# Altium PCB NURIP.PcbDoc (part 7 of 14) (continued)
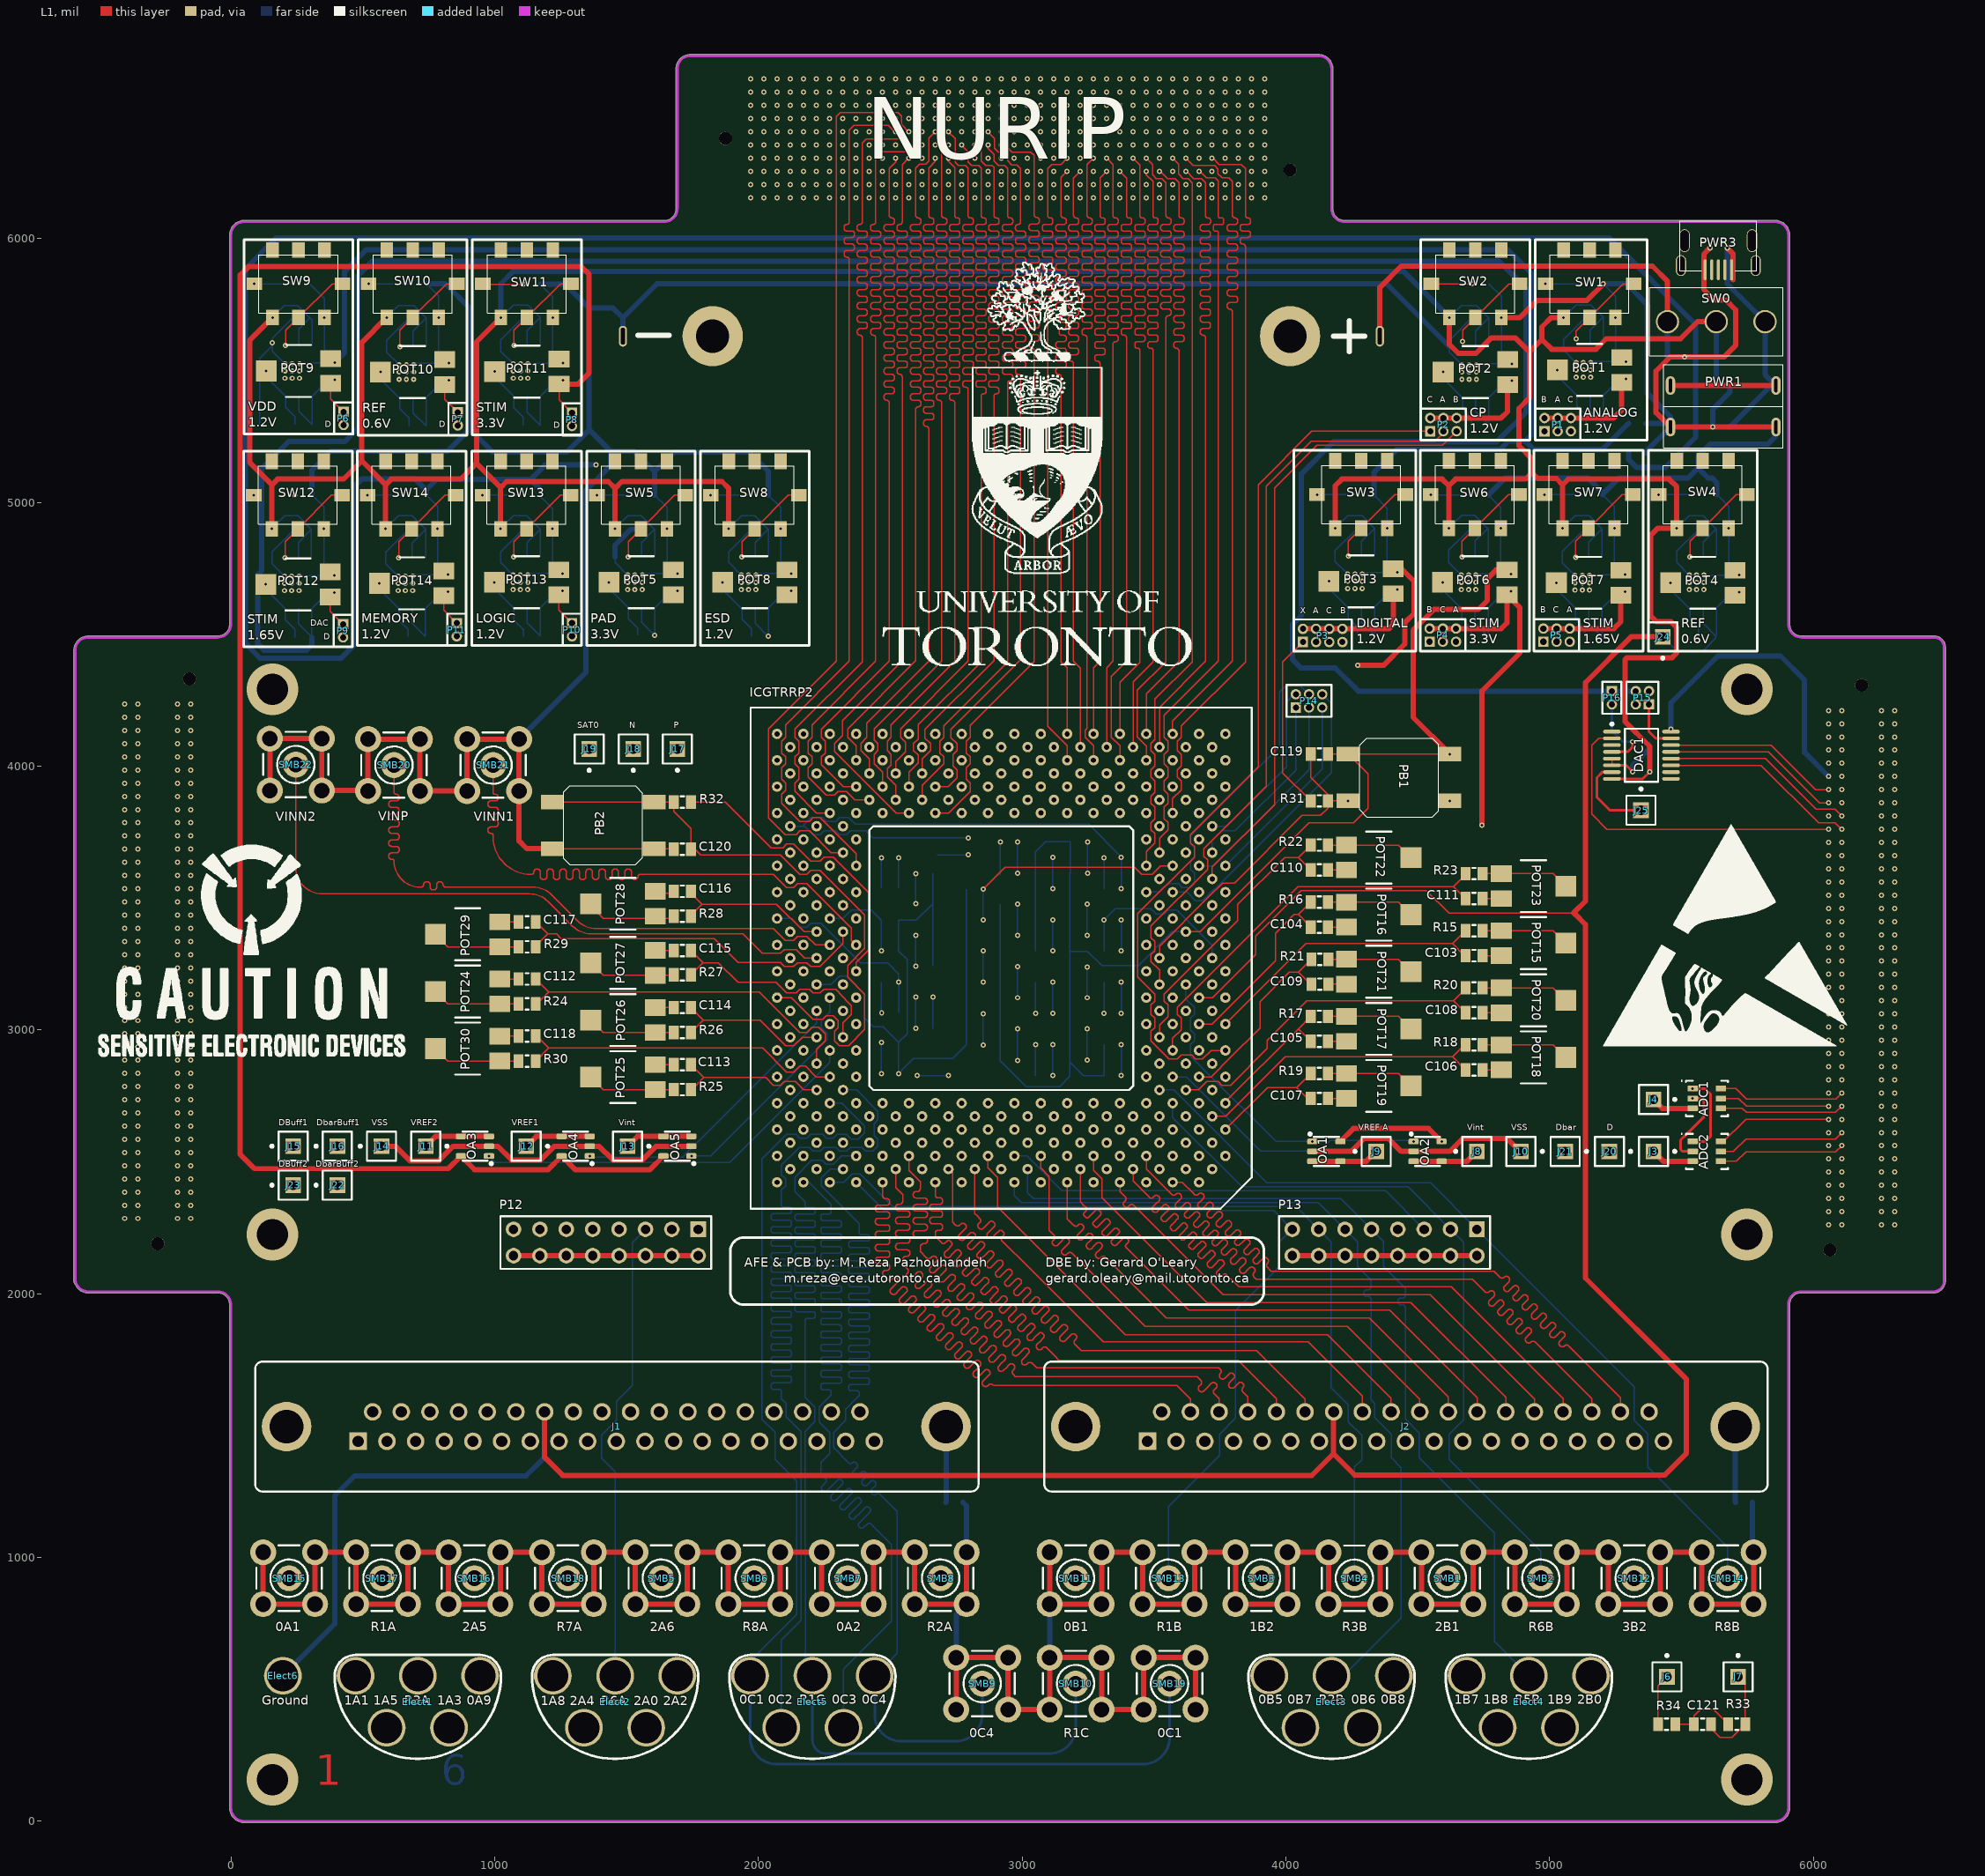
[diagram p0: L1 view]
## Nets (pads, with @x,y where several pads share a name; then routed paths per layer and width w, separated by ;. In a path a pad name is that pad's centre, name@x,y a point inside that pad or via, vN(x,y) a via of type N, cw(c..) or ccw(c..) an arc to the next point about the centre after c; other vN are vias at no path point) (continued)
DBG_UART_TXD: FMC1.K22 ICGTRRP2.AF4 | length 2767.2
  L5 w5: v1(3020.24,6154.92) 3020.24,4686.46 3538.52,4168.17 3538.52,4108.87 3552.89,4094.5 3552.89,4049.91 3538.52,4035.54 3538.52,3999.91 3552.89,3985.54 3552.89,3950.53 3538.52,3936.16 3538.52,3899.91 3552.89,3885.54 3552.89,3858.87 3538.52,3844.5 3538.52,3808.87 3620.71,3726.69 ICGTRRP2.AF4@3620.71,3672.2
DVDD: ADC1.1 ADC2.1 C12.1 C13.1 LDO3.1 LDO3.2 P3.2 P3.4 P3.6 P3.8 P15.2 POT3.3 | length 3941.9
  L1 w10: ADC2.1@5543.31,2576.77 5590.55,2576.77 5611.02,2597.24 5611.02,2755.12 5588.58,2777.56 ADC1.1@5543.31,2777.56
  L1 w20: P3.2@4064.57,4520.47 P3.4@4114.57,4520.47 P3.6@4164.57,4520.47 P3.8@4214.57,4520.47 4390.55,4520.47 4407.48,4537.4 POT3.3@4407.48,4653.54 ; v1(5541.34,2777.56) ADC1.1@5543.31,2777.56
  L2 w20: P15.2@5326.77,4234.25 5326.77,4145.67 5541.34,3931.1 v1(5541.34,2777.56)
  L5 w5: P3.8@4214.57,4520.47 4324.02,4520.47 4653.54,4190.94 5283.46,4190.94 P15.2@5326.77,4234.25
  L6 w5: LDO3.2@4286.81,4604.33 4286.81,4545.87 C12.1@4336.61,4496.06 4336.81,4496.26 4336.81,4604.33 4401.77,4669.29 v1(4423.23,4669.29)
DVDD_A: C41.1 C42.1 ICGTRRP2.M4 P3.3 | length 2695.1
  L2 w5: ICGTRRP2.M4@3620.71,2972.2 3567.17,2972.2 3538.52,3000.85 3538.52,3044.5 3552.89,3058.87 3552.89,3085.54 3538.52,3099.91 3538.52,3135.54 3552.89,3149.91 3552.89,3194.5 3538.52,3208.87 3538.52,3235.54 3552.89,3249.91 3552.89,3294.5 3538.52,3308.87 3538.52,3335.54 3552.89,3349.91 3552.89,3394.5 3538.52,3408.87 3538.52,3435.54 3552.89,3449.91 3552.89,3494.5 3538.52,3508.87 3538.52,3535.54 3552.89,3549.91 3552.89,3594.5 3538.52,3608.87 3538.52,3635.54 3552.89,3649.91 3552.89,3694.5 3538.52,3708.87 3538.52,3735.54 3552.89,3749.91 3552.89,3794.5 3538.52,3808.87 3538.52,3835.54 3552.89,3849.91 3552.89,3894.5 3538.52,3908.87 3538.52,3944.5 3552.89,3958.87 3552.89,3994.5 3538.52,4008.87 3538.52,4035.54 3929.8,4426.81 4077.95,4426.81 4114.57,4463.42 P3.3@4114.57,4470.47
  L3 w5: v1(3116.14,3062.99) 3242.13,3062.99 3286.18,3018.94 3386.57,3018.94 3433.31,2972.2 3475.19,2972.2 3507.38,2940.02 3534.04,2940.02 3566.23,2972.2 ICGTRRP2.M4@3620.71,2972.2
  L6 w5: v1(3116.14,3062.99) v1(3116.14,3181.1)
DVDD_B: C43.1 C44.1 ICGTRRP2.H2 P3.7 | length 2975
  L2 w5: ICGTRRP2.H2@3720.71,2772.2 3720.71,2826.69 3752.89,2858.87 3752.89,2885.54 3738.52,2899.91 3738.52,2944.5 3752.89,2958.87 3752.89,2985.54 3738.52,2999.91 3738.52,3044.5 3752.89,3058.87 3752.89,3085.54 3734.04,3104.39 3698.41,3104.39 3684.04,3090.02 3657.38,3090.02 3638.52,3108.87 3638.52,3144.5 3652.89,3158.87 3652.89,3185.54 3638.52,3199.91 3638.52,3244.5 3652.89,3258.87 3652.89,3294.5 3638.52,3308.87 3638.52,3335.54 3652.89,3349.91 3652.89,3394.5 3638.52,3408.87 3638.52,3435.54 3652.89,3449.91 3652.89,3494.5 3638.52,3508.87 3638.52,3535.54 3652.89,3549.91 3652.89,3594.5 3638.52,3608.87 3638.52,3635.54 3652.89,3649.91 3652.89,3694.5 3638.52,3708.87 3638.52,3735.54 3652.89,3749.91 3652.89,3794.5 3638.52,3808.87 3638.52,3835.54 3652.89,3849.91 3652.89,3894.5 3638.52,3908.87 3638.52,3935.54 4047.24,4344.26 4088.35,4344.26 P3.7@4214.57,4470.47
  L3 w5: v1(3116.14,2826.77) 3344.16,2826.77 3380.92,2790.02 3488.52,2790.02 3502.89,2804.39 3543.01,2804.39 3557.38,2790.02 3588.52,2790.02 3602.89,2804.39 3634.04,2804.39 3666.23,2772.2 ICGTRRP2.H2@3720.71,2772.2
  L6 w5: v1(3116.14,2826.77) v1(3116.14,2944.88)
DVDD_C: C45.1 C46.1 ICGTRRP2.P2 P3.5 | length 2462.2
  L2 w5: ICGTRRP2.P2@3720.71,3072.2 3666.23,3072.2 3633.39,3039.37 3608.03,3039.37 3588.52,3058.87 3588.52,3094.5 3602.89,3108.87 3602.89,3135.54 3588.52,3149.91 3588.52,3185.54 3602.89,3199.91 3602.89,3235.54 3588.52,3249.91 3588.52,3285.54 3602.89,3299.91 3602.89,3335.54 3588.52,3349.91 3588.52,3385.54 3602.89,3399.91 3602.89,3435.54 3588.52,3449.91 3588.52,3485.54 3602.89,3499.91 3602.89,3537.24 3588.52,3551.61 3588.52,3585.54 3602.89,3599.91 3602.89,3635.54 3588.52,3649.91 3588.52,3685.54 3602.89,3699.91 3602.89,3735.54 3588.52,3749.91 3588.52,3785.54 3602.89,3799.91 3602.89,3835.54 3588.52,3849.91 3588.52,3885.54 3602.89,3899.91 3602.89,3944.5 3588.52,3958.87 3588.52,3985.54 3984.88,4381.89 4075.98,4381.89 P3.5@4164.57,4470.47
  L3 w5: v1(3375.98,3062.99) 3484.4,3062.99 3507.38,3040.02 3543.01,3040.02 3557.38,3054.39 3584.04,3054.39 3598.41,3040.02 3634.04,3040.02 3663.39,3069.37 3717.87,3069.37 ICGTRRP2.P2@3720.71,3072.2
  L6 w5: v1(3375.98,3062.99) v1(3375.98,3181.1)
DVSS1: C87.2 C88.2 C90.2 C91.2 C92.2 C93.2 C94.2 C95.2 C97.2 C98.2 C99.2 C100.2 C101.2 C102.2 FB1.2 FMC1.C1 FMC1.C12 FMC1.C13 FMC1.C20 FMC1.C21 FMC1.C24 FMC1.C28 FMC1.D7 FMC1.D10 FMC1.D13 FMC1.D19 FMC1.D22 FMC1.E1 FMC1.E4 FMC1.E5 FMC1.E8 FMC1.E11 FMC1.E14 FMC1.E17 FMC1.F6 FMC1.F9 FMC1.F15 FMC1.F18 FMC1.G5 FMC1.G8 FMC1.G11 FMC1.G17 FMC1.G32 FMC1.H6 FMC1.H9 FMC1.H12 FMC1.H18 FMC1.H21 FMC1.H24 FMC1.H30 FMC1.H33 FMC1.H36 FMC1.J8 FMC1.J11 FMC1.J14 FMC1.J17 FMC1.J20 FMC1.K6 FMC1.K9 FMC1.K12 FMC1.K15 FMC1.K18 FMC1.K21 FMC1.K24 ICGTRRP2.AA35 ICGTRRP2.AG1 ICGTRRP2.AL35 ICGTRRP2.AN19 ICGTRRP2.V2 LDO13.5 LDO14.5 POT13.1 POT14.1 R13.1 R14.1 SW13.1 SW14.1 | length 22826.9
  L2 w5: v1(1383.86,5141.73) 1383.86,5889.76 1501.97,6007.87 1858.27,6007.87 1947.74,6097.34 1947.74,6482.42 v1(1970.24,6504.92)
  L2 w20: v1(1257.87,4730.31) 1262.6,4730.31 ICGTRRP2.AL35@2070.71,3922.2
  L3 w5: v1(2531.5,3181.1) 2561.02,3210.63 2561.02,3686.37 2393.01,3854.39 2357.38,3854.39 2343.01,3840.02 2307.38,3840.02 2293.01,3854.39 2248.41,3854.39 2234.04,3840.02 2207.38,3840.02 2193.01,3854.39 2157.38,3854.39 2143.01,3840.02 2107.38,3840.02 2070.71,3876.69 ICGTRRP2.AL35@2070.71,3922.2 ; v1(2531.5,3651.57) 2401.57,3781.5 2356.93,3781.5 2334.04,3804.39 2307.38,3804.39 2293.01,3790.02 2257.38,3790.02 2243.01,3804.39 2207.38,3804.39 2193.01,3790.02 2157.38,3790.02 2143.01,3804.39 2107.38,3804.39 2093.01,3790.02 2057.38,3790.02 2037.4,3810 2037.4,3907.48 2052.13,3922.2 ICGTRRP2.AL35@2070.71,3922.2 ; v1(2795.28,3663.39) 2784.01,3663.39 2493.01,3954.39 2457.38,3954.39 2443.01,3940.02 2407.38,3940.02 2393.01,3954.39 2357.38,3954.39 2343.01,3940.02 2307.38,3940.02 2293.01,3954.39 2257.38,3954.39 2243.01,3940.02 2198.41,3940.02 2184.04,3954.39 2153.21,3954.39 2121.02,3922.2 ; v1(3310.87,3652.83) 3310.87,3710.79 3263.78,3757.87 2789.52,3757.87 2543.01,4004.39 2498.41,4004.39 2484.04,3990.02 2457.38,3990.02 2443.01,4004.39 2407.38,4004.39 2393.01,3990.02 2357.38,3990.02 2343.01,4004.39 2298.41,4004.39 2284.04,3990.02 2257.38,3990.02 2233.62,4013.78 2212.6,4013.78 2188.84,3990.02 2157.38,3990.02 2143.01,4004.39 2107.38,4004.39 2070.71,3967.72 ICGTRRP2.AL35@2070.71,3922.2 ; v1(3311.02,3417.32) 3267.72,3417.32 3165.35,3519.69 3165.35,3562.99 3106.3,3622.05 2725.35,3622.05 2443.01,3904.39 2398.41,3904.39 2384.04,3890.02 2357.38,3890.02 2343.01,3904.39 2307.38,3904.39 2293.01,3890.02 2251.71,3890.02 2237.34,3904.39 2207.38,3904.39 2193.01,3890.02 2153.21,3890.02 2121.02,3922.2 ; ICGTRRP2.AL35@2070.71,3922.2 2121.02,3922.2
  L4 w5: v1(3310.87,3652.83) 3412.42,3754.39 3484.04,3754.39 3498.41,3740.02 3534.04,3740.02 3548.41,3754.39 3584.04,3754.39 3598.41,3740.02 3634.04,3740.02 3648.41,3754.39 3689.19,3754.39 3719.71,3723.87 3769.04,3723.87 ICGTRRP2.AG1@3770.71,3722.2
  L5 w5: v1(2795.28,3663.39) 2738.52,3720.14 2738.52,3835.54 2870.71,3967.72 ICGTRRP2.AN19@2870.71,4022.2
  L6 w5: v2(633.86,4720.47) 586.42,4767.91 586.42,4810.83 C94.2@673.23,4897.64 ; v2(688.98,4720.47) 694.88,4726.38 v1(822.83,4726.38) 783.46,4765.75 v1(783.46,4899.61) 783.46,4984.25 R14.1@740.16,5027.56 ; v2(1069.88,4724.41) 1022.44,4771.85 1022.44,4812.79 C87.2@1107.28,4897.64 ; v2(1125,4724.41) 1130.91,4730.31 v1(1257.87,4730.31) 1219.49,4768.7 v1(1219.49,4899.61) 1219.49,4976.38 R13.1@1168.31,5027.56 ; ICGTRRP2.AA35@2070.71,3422.2 2125.19,3422.2 2157.38,3390.02 2184.04,3390.02 2198.41,3404.39 2237.34,3404.39 2387.8,3253.94 2490.16,3253.94 2531.5,3212.6 v1(2531.5,3181.1) 2532.48,3180.12 C91.2@2532.48,3064.96 ; C102.2@2531.5,3537.4 v1(2531.5,3651.57) ; C100.2@2677.17,3663.39 v1(2795.28,3663.39) ; v1(3310.87,3652.83) 3310.87,3535.59 C97.2@3311.02,3535.43 ; C92.2@3311.02,3299.21 v1(3311.02,3417.32) 3352.36,3458.66 3488.74,3458.66 3507.38,3440.02 3538.31,3440.02 3552.68,3454.39 3586.95,3454.39 3720.71,3320.63 ICGTRRP2.V2@3720.71,3272.2
  L6 w20: R14.1@740.16,5027.56 R14.1@740.16,5046.89 ; 1168.31,5054.13 1135.83,5086.61 ; v1(1383.86,5141.73) 1190.94,5141.73 1135.83,5086.61 ; FB1.2@5299.21,5187.01 5299.21,5163.39 5330.71,5131.89 5438.98,5131.89 5553.15,5246.06 5553.15,5675.2 5226.38,6001.97 171.26,6001.97 55.12,5885.83 55.12,4464.57 109.92,4409.76 417.64,4409.76 468.5,4460.63 468.5,5061.02 496.06,5088.58 698.46,5088.58 R14.1@740.16,5046.89 ; R14.1@740.16,5046.89 740.16,5047.24 779.53,5086.61 1102.36,5086.61 1135.83,5086.61
  other v1: 2220.24,6154.92 2370.24,6154.92 2520.24,6154.92 2670.24,6154.92 2820.24,6154.92 2970.24,6154.92 3120.24,6154.92 2320.24,6204.92 2470.24,6204.92 2620.24,6204.92 2770.24,6204.92 2920.24,6204.92 2220.24,6254.92 2370.24,6254.92 2520.24,6254.92 2820.24,6254.92 2970.24,6254.92 3120.24,6254.92 3420.24,6254.92 3570.24,6254.92 3720.24,6254.92 2170.24,6304.92 2320.24,6304.92 2470.24,6304.92 2770.24,6304.92 3520.24,6304.92 2220.24,6354.92 2370.24,6354.92 2670.24,6354.92 2820.24,6354.92 1970.24,6404.92 2120.24,6404.92 2170.24,6404.92 2320.24,6404.92 2470.24,6404.92 2620.24,6404.92 2770.24,6404.92 2270.24,6454.92 2420.24,6454.92 2570.24,6454.92 2870.24,6454.92 3020.24,6454.92 2520.24,6504.92 2570.24,6504.92 2920.24,6504.92 2970.24,6504.92 3120.24,6504.92 3320.24,6504.92
  other v2: 633.86,4665.35 661.42,4665.35 688.98,4665.35 1069.88,4669.29 1097.44,4669.29 1125,4669.29 633.86,4692.91 661.42,4692.91 688.98,4692.91 1069.88,4696.85 1097.44,4696.85 1125,4696.85 661.42,4720.47 1097.44,4724.41
DVSS2: ADC1.2 ADC2.2 C11.2 C13.2 C41.2 C42.2 C43.2 C44.2 C45.2 C46.2 C47.2 C48.2 C67.2 C68.2 C70.2 C71.2 DAC1.16 FB2.2 FMC2.G8 FMC2.G11 FMC2.G14 FMC2.G17 FMC2.G20 FMC2.G23 FMC2.G26 FMC2.G29 FMC2.G32 FMC2.G35 FMC2.H6 FMC2.H9 FMC2.H12 FMC2.H15 FMC2.H18 FMC2.H21 FMC2.H24 FMC2.H27 FMC2.H30 FMC2.H33 FMC3.G11 FMC3.G14 FMC3.G17 FMC3.G20 FMC3.G23 FMC3.G26 FMC3.G32 FMC3.H9 FMC3.H12 FMC3.H15 FMC3.H18 FMC3.H21 FMC3.H24 FMC3.H27 FMC3.H30 LDO3.5 LDO9.5 POT3.1 POT9.1 R3.1 R9.1 SW3.1 SW9.1 | length 21282.3
  L1 w10: v1(5541.34,2740.16) ADC1.2@5543.31,2740.16 5572.83,2740.16 5584.65,2728.35 5584.65,2669.29 5517.95,2602.6 5517.41,2602.6 5497.05,2582.24 5497.05,2546.26 5503.94,2539.37 ADC2.2@5543.31,2539.37
  L1 w20: v1(4271.65,4381.89) 4370.08,4381.89 4450.79,4462.6 4450.79,4543.31 4486.22,4578.74 4486.22,4700.79 4438.98,4748.03 POT3.1@4407.48,4748.03
  L2 w5: -450.79,2333.43 -450.79,4242.13 -407.48,4285.43 -70.87,4285.43 109.11,4465.41 109.11,5122.89 110.24,5124.02 110.24,5557.28 v1(157.28,5604.33)
  L2 w20: v1(5460.63,4139.76) 5604.33,3996.06 5604.33,2775.59 5568.9,2740.16 v1(5541.34,2740.16)
  L4 w5: v1(2661.42,3124.02) 2923.23,3124.02 3039.37,3240.16 3039.37,3722.44 3088.58,3771.65 ; v1(2917.32,3712.6) 2976.38,3771.65 3088.58,3771.65 ; v1(3051.18,2944.88) 3141.73,3035.43 3141.73,3714.57 3198.82,3771.65 ; v1(3051.18,3062.99) 3084.65,3096.46 3084.65,3720.47 3135.83,3771.65 ; v1(3311.02,3062.99) 3311.02,3356.3 3220.47,3446.85 3220.47,3482.61 3225.53,3487.67 3225.53,3721.92 3275.27,3771.65 ; v1(4271.65,4381.89) 4078.74,4381.89 3468.5,3771.65 3275.27,3771.65 ; 3088.58,3771.65 3135.83,3771.65 ; 3135.83,3771.65 3198.82,3771.65 ; 3198.82,3771.65 3275.27,3771.65
  L6 w5: 108.27,5295.28 108.27,5545.47 LDO9.5@157.28,5594.49 ; v2(204.72,5525.59) 157.28,5573.03 LDO9.5@157.28,5594.49 ; C67.2@234.25,5698.82 157.28,5621.85 v1(157.28,5604.33) LDO9.5@157.28,5594.49 ; v2(259.84,5525.59) 263.78,5529.53 v1(393.7,5529.53) 354.33,5568.9 v1(354.33,5700.79) 354.33,5773.62 R9.1@299.21,5828.74 ; C71.2@2661.42,3005.91 v1(2661.42,3124.02) ; C47.2@2917.32,3586.61 C47.2@2917.32,3594.49 v1(2917.32,3712.6) ; C44.2@3051.18,2826.77 v1(3051.18,2944.88) ; v1(3051.18,3062.99) C41.2@3051.18,3181.1 ; v1(3311.02,3062.99) C46.2@3311.02,3181.1 ; v2(4234.25,4728.35) 4186.81,4775.79 4186.81,4816.73 C11.2@4271.65,4901.57 ; v2(4289.37,4728.35) 4295.28,4734.25 v1(4423.23,4734.25) 4383.86,4773.62 v1(4383.86,4901.57) 4383.86,4978.35 R3.1@4334.65,5027.56
  L6 w20: v1(393.7,5529.53) 431.1,5566.93 431.1,5875.98 511.81,5956.69 4842.52,5956.69 4940.94,5858.27 4940.94,5265.16 4908.37,5232.58 ; R3.1@4334.65,5027.56 4334.65,5114.17 4420.47,5200 4812.2,5200 4844.78,5232.58 4908.37,5232.58 ; FB2.2@5299.21,5299.21 5200.79,5200.79 4940.16,5200.79 4908.37,5232.58 ; v1(5460.63,4139.76) 5460.63,4240.16 5637.8,4417.32 5875.98,4417.32 5966.54,4326.77 5966.54,4052.4 v1(6058.07,3960.87)
  other v1: 6108.07,2510.87 6058.07,2610.87 6108.07,2660.87 -152.56,2685.2 6058.07,2760.87 -202.56,2785.2 6108.07,2810.87 -152.56,2835.2 6058.07,2910.87 -202.56,2935.2 6108.07,2960.87 -152.56,2985.2 6058.07,3060.87 -202.56,3085.2 6108.07,3110.87 -152.56,3135.2 6058.07,3210.87 -202.56,3235.2 6108.07,3260.87 -152.56,3285.2 6058.07,3360.87 -202.56,3385.2 6108.07,3410.87 -152.56,3435.2 6058.07,3510.87 -202.56,3535.2 6108.07,3560.87 -152.56,3585.2 6058.07,3660.87 6108.07,3710.87 -152.56,3735.2 6058.07,3810.87 -202.56,3835.2 6108.07,3860.87
  other v2: 4234.25,4673.23 4261.81,4673.23 4289.37,4673.23 4234.25,4700.79 4261.81,4700.79 4289.37,4700.79 4261.81,4728.35 204.72,5470.47 232.28,5470.47 259.84,5470.47 204.72,5498.03 232.28,5498.03 259.84,5498.03 232.28,5525.59
ESD_VDD: C27.1 C28.1 C65.1 C66.1 ICGTRRP2.AA31 LDO8.1 LDO8.2 POT8.3 | length 1858.3
  L4 w5: v1(2037.4,4492.13) 2037.4,3708.66 2270.71,3475.35 ICGTRRP2.AA31@2270.71,3422.2
  L6 w5: LDO8.2@1987.6,4600.39 1987.6,4541.93 v1(2037.4,4492.13) ; C27.1@2037.6,4492.32 LDO8.1@2037.6,4590.55 2037.6,4600.39 2102.56,4665.35 v1(2124.02,4665.35) ; ICGTRRP2.AA31@2270.71,3422.2 2319.84,3422.2 2352.03,3454.39 2427.5,3454.39 C65.1@2466.54,3415.35 v1(2466.54,3299.21)
EXT_PER_DIN(0): FMC1.H23 ICGTRRP2.AJ15 | length 3068.7
  L2 w5: v1(3070.24,6254.92) 3096.46,6228.7 3096.46,6090.55 3096.46,6088.06 ccw(c3106.31,6088.06) 3106.31,6078.21 cw(c3106.31,6068.33) 3116.18,6068.33 3116.18,6063.4 cw(c3106.31,6063.4) 3106.31,6053.52 3096.46,6053.52 3087.3,6053.52 ccw(c3087.3,6043.65) 3077.43,6043.65 3077.43,6038.71 ccw(c3087.3,6038.71) 3087.3,6028.84 3096.46,6028.84 3105.61,6028.84 cw(c3105.61,6018.96) 3115.48,6018.96 3115.48,6014.03 cw(c3105.61,6014.03) 3105.61,6004.15 3096.46,6004.15 3087.3,6004.15 ccw(c3087.3,5994.28) 3077.43,5994.28 3077.43,5989.34 ccw(c3087.3,5989.34) 3087.3,5979.47 3096.46,5979.47 3105.61,5979.47 cw(c3105.61,5969.59) 3115.48,5969.59 3115.48,5964.66 cw(c3105.61,5964.66) 3105.61,5954.78 3096.46,5954.78 3087.3,5954.78 ccw(c3087.3,5944.91) 3077.43,5944.91 3077.43,5939.97 ccw(c3087.3,5939.97) 3087.3,5930.1 3096.46,5930.1 3105.61,5930.1 cw(c3105.61,5920.22) 3115.48,5920.22 3115.48,5915.29 cw(c3105.61,5915.29) 3105.61,5905.41 3096.46,5905.41 3087.3,5905.41 ccw(c3087.3,5895.54) 3077.43,5895.54 3077.43,5890.6 ccw(c3087.3,5890.6) 3087.3,5880.73 3096.46,5880.73 3105.61,5880.73 cw(c3105.61,5870.85) 3115.48,5870.85 3115.48,5865.92 cw(c3105.61,5865.92) 3105.61,5856.04 3096.46,5856.04 3087.3,5856.04 ccw(c3087.3,5846.17) 3077.43,5846.17 3077.43,5841.23 ccw(c3087.3,5841.23) 3087.3,5831.36 3096.46,5831.36 3105.61,5831.36 cw(c3105.61,5821.48) 3115.48,5821.48 3115.48,5816.55 cw(c3105.61,5816.55) 3105.61,5806.67 3096.46,5806.67 3087.3,5806.67 ccw(c3087.3,5796.8) 3077.43,5796.8 3077.43,5791.86 ccw(c3087.3,5791.86) 3087.3,5781.99 ; ICGTRRP2.AJ15@3070.71,3822.2 3125.19,3822.2 3157.38,3790.02 3184.04,3790.02 3252.89,3858.87 3252.89,3885.54 3238.52,3899.91 3238.52,3944.5 3252.89,3958.87 3252.89,3985.54 3238.52,3999.91 3238.52,4044.5 3252.89,4058.87 3252.89,4085.54 3228.67,4109.76 3228.67,4222.12 3096.46,4354.33 3096.46,5633.86 3096.46,5772.14 ccw(c3086.6,5772.14) 3086.6,5781.99 ; 3086.66,5781.99 3087.25,5781.99
EXT_PER_DIN(1): FMC1.H20 ICGTRRP2.AL15 | length 3066.9
  L2 w5: v1(2920.24,6254.92) 2944.88,6230.28 2944.88,6090.55 2944.88,6086.85 ccw(c2953.52,6086.85) 2953.52,6078.21 2955.97,6078.21 cw(c2955.97,6069.57) 2964.61,6069.57 2964.61,6062.16 cw(c2955.97,6062.16) 2955.97,6053.52 2944.88,6053.52 2933.79,6053.52 ccw(c2933.79,6044.88) 2925.15,6044.88 2925.15,6037.48 ccw(c2933.79,6037.48) 2933.79,6028.84 2944.88,6028.84 2955.97,6028.84 cw(c2955.97,6020.2) 2964.61,6020.2 2964.61,6012.79 cw(c2955.97,6012.79) 2955.97,6004.15 2944.88,6004.15 2933.79,6004.15 ccw(c2933.79,5995.51) 2925.15,5995.51 2925.15,5988.11 ccw(c2933.79,5988.11) 2933.79,5979.47 2944.88,5979.47 2955.97,5979.47 cw(c2955.97,5970.83) 2964.61,5970.83 2964.61,5963.42 cw(c2955.97,5963.42) 2955.97,5954.78 2944.88,5954.78 2933.79,5954.78 ccw(c2933.79,5946.14) 2925.15,5946.14 2925.15,5938.74 ccw(c2933.79,5938.74) 2933.79,5930.1 2944.88,5930.1 2955.97,5930.1 cw(c2955.97,5921.46) 2964.61,5921.46 2964.61,5914.05 cw(c2955.97,5914.05) 2955.97,5905.41 2944.88,5905.41 2933.79,5905.41 ccw(c2933.79,5896.77) 2925.15,5896.77 2925.15,5889.37 ccw(c2933.79,5889.37) 2933.79,5880.73 2944.88,5880.73 2955.97,5880.73 cw(c2955.97,5872.09) 2964.61,5872.09 2964.61,5864.68 cw(c2955.97,5864.68) 2955.97,5856.04 2944.88,5856.04 2933.79,5856.04 ccw(c2933.79,5847.4) 2925.15,5847.4 2925.15,5840 ccw(c2933.79,5840) 2933.79,5831.36 2944.88,5831.36 2955.97,5831.36 cw(c2955.97,5822.72) 2964.61,5822.72 2964.61,5815.31 cw(c2955.97,5815.31) 2955.97,5806.67 2944.88,5806.67 2933.79,5806.67 ccw(c2933.79,5798.03) 2925.15,5798.03 2925.15,5790.63 ccw(c2933.79,5790.63) 2933.79,5781.99 2944.88,5781.99 2955.97,5781.99 cw(c2955.97,5773.35) 2964.61,5773.35 2964.61,5765.94 cw(c2955.97,5765.94) 2955.97,5757.3 2944.88,5757.3 2933.79,5757.3 ccw(c2933.79,5748.66) 2925.15,5748.66 2925.15,5741.26 ccw(c2933.79,5741.26) 2933.79,5732.62 2944.88,5732.62 2955.97,5732.62 cw(c2955.97,5723.98) 2964.61,5723.98 2964.61,5716.57 cw(c2955.97,5716.57) 2955.97,5707.93 2944.88,5707.93 2933.79,5707.93 ccw(c2933.79,5699.29) 2925.15,5699.29 2925.15,5691.89 ccw(c2933.79,5691.89) 2933.79,5683.25 2944.88,5683.25 2955.97,5683.25 cw(c2955.97,5674.61) 2964.61,5674.61 2964.61,5667.2 cw(c2955.97,5667.2) 2955.97,5658.56 2944.88,5658.56 2933.79,5658.56 ccw(c2933.79,5649.92) 2925.15,5649.92 2925.15,5642.52 ccw(c2933.79,5642.52) 2933.79,5633.88 2944.88,5633.88 2955.97,5633.88 cw(c2955.97,5625.24) 2964.61,5625.24 2964.61,5617.83 cw(c2955.97,5617.83) 2955.97,5609.19 2944.88,5609.19 2933.79,5609.19 ccw(c2933.79,5600.55) 2925.15,5600.55 2925.15,5593.15 ccw(c2933.79,5593.15) 2933.79,5584.51 2936.24,5584.51 cw(c2936.24,5575.87) 2944.88,5575.87 2944.88,5484.25 2944.88,4366.14 3090.55,4220.47 3090.55,4166.73 3102.89,4154.39 3102.89,4108.87 3088.52,4094.5 3088.52,4049.91 3102.89,4035.54 3102.89,4008.87 3070.71,3976.69 ICGTRRP2.AL15@3070.71,3922.2
EXT_PER_DIN(2): FMC1.G21 ICGTRRP2.AK16 | length 3063
  L2 w5: v1(2970.24,6304.92) 2996.06,6279.09 2996.06,6090.55 2996.06,6088.06 ccw(c3005.92,6088.06) 3005.92,6078.21 cw(c3005.92,6068.33) 3015.79,6068.33 3015.79,6063.4 cw(c3005.92,6063.4) 3005.92,6053.52 2996.06,6053.52 2986.21,6053.52 ccw(c2986.21,6043.65) 2976.34,6043.65 2976.34,6038.71 ccw(c2986.21,6038.71) 2986.21,6028.84 2996.06,6028.84 3005.92,6028.84 cw(c3005.92,6018.96) 3015.79,6018.96 3015.79,6014.03 cw(c3005.92,6014.03) 3005.92,6004.15 2996.06,6004.15 2986.21,6004.15 ccw(c2986.21,5994.28) 2976.34,5994.28 2976.34,5989.34 ccw(c2986.21,5989.34) 2986.21,5979.47 2996.06,5979.47 3005.92,5979.47 cw(c3005.92,5969.59) 3015.79,5969.59 3015.79,5964.66 cw(c3005.92,5964.66) 3005.92,5954.78 2996.06,5954.78 2986.21,5954.78 ccw(c2986.21,5944.91) 2976.34,5944.91 2976.34,5939.97 ccw(c2986.21,5939.97) 2986.21,5930.1 2996.06,5930.1 3005.92,5930.1 cw(c3005.92,5920.22) 3015.79,5920.22 3015.79,5915.29 cw(c3005.92,5915.29) 3005.92,5905.41 2996.06,5905.41 2986.21,5905.41 ccw(c2986.21,5895.54) 2976.34,5895.54 2976.34,5890.6 ccw(c2986.21,5890.6) 2986.21,5880.73 2996.06,5880.73 3005.92,5880.73 cw(c3005.92,5870.85) 3015.79,5870.85 3015.79,5865.92 cw(c3005.92,5865.92) 3005.92,5856.04 2996.06,5856.04 2986.21,5856.04 ccw(c2986.21,5846.17) 2976.34,5846.17 2976.34,5841.23 ccw(c2986.21,5841.23) 2986.21,5831.36 2996.06,5831.36 3005.92,5831.36 cw(c3005.92,5821.48) 3015.79,5821.48 3015.79,5816.55 cw(c3005.92,5816.55) 3005.92,5806.67 2996.06,5806.67 2986.21,5806.67 ccw(c2986.21,5796.8) 2976.34,5796.8 2976.34,5791.86 ccw(c2986.21,5791.86) 2986.21,5781.99 2996.06,5781.99 3005.92,5781.99 cw(c3005.92,5772.11) 3015.79,5772.11 3015.79,5767.18 cw(c3005.92,5767.18) 3005.92,5757.3 2996.06,5757.3 2986.21,5757.3 ccw(c2986.21,5747.43) 2976.34,5747.43 2976.34,5742.49 ccw(c2986.21,5742.49) 2986.21,5732.62 2996.06,5732.62 3005.92,5732.62 cw(c3005.92,5722.74) 3015.79,5722.74 3015.79,5717.81 cw(c3005.92,5717.81) 3005.92,5707.93 ccw(c3005.92,5698.08) 2996.06,5698.08 2996.06,5588.58 2996.06,4352.36 3127.95,4220.47 3127.95,4110.48 3152.89,4085.54 3152.89,4058.87 3138.52,4044.5 3138.52,3999.91 3152.89,3985.54 3152.89,3950.14 3074.96,3872.2 ICGTRRP2.AK16@3020.71,3872.2
EXT_PER_DIN(3): FMC1.H19 ICGTRRP2.AM16 | length 3067.4
  L2 w5: v1(2870.24,6254.92) 2893.7,6231.46 2893.7,6090.55 2893.7,6086.85 ccw(c2902.34,6086.85) 2902.34,6078.21 2904.75,6078.21 cw(c2904.75,6069.57) 2913.39,6069.57 2913.39,6062.16 cw(c2904.75,6062.16) 2904.75,6053.52 2893.7,6053.52 2882.65,6053.52 ccw(c2882.65,6044.88) 2874.01,6044.88 2874.01,6037.48 ccw(c2882.65,6037.48) 2882.65,6028.84 2893.7,6028.84 2904.75,6028.84 cw(c2904.75,6020.2) 2913.39,6020.2 2913.39,6012.79 cw(c2904.75,6012.79) 2904.75,6004.15 2893.7,6004.15 2882.65,6004.15 ccw(c2882.65,5995.51) 2874.01,5995.51 2874.01,5988.11 ccw(c2882.65,5988.11) 2882.65,5979.47 2893.7,5979.47 2904.75,5979.47 cw(c2904.75,5970.83) 2913.39,5970.83 2913.39,5963.42 cw(c2904.75,5963.42) 2904.75,5954.78 2893.7,5954.78 2882.65,5954.78 ccw(c2882.65,5946.14) 2874.01,5946.14 2874.01,5938.74 ccw(c2882.65,5938.74) 2882.65,5930.1 2893.7,5930.1 2904.75,5930.1 cw(c2904.75,5921.46) 2913.39,5921.46 2913.39,5914.05 cw(c2904.75,5914.05) 2904.75,5905.41 2893.7,5905.41 2882.65,5905.41 ccw(c2882.65,5896.77) 2874.01,5896.77 2874.01,5889.37 ccw(c2882.65,5889.37) 2882.65,5880.73 2893.7,5880.73 2904.75,5880.73 cw(c2904.75,5872.09) 2913.39,5872.09 2913.39,5864.68 cw(c2904.75,5864.68) 2904.75,5856.04 2893.7,5856.04 2882.65,5856.04 ccw(c2882.65,5847.4) 2874.01,5847.4 2874.01,5840 ccw(c2882.65,5840) 2882.65,5831.36 2893.7,5831.36 2904.75,5831.36 cw(c2904.75,5822.72) 2913.39,5822.72 2913.39,5815.31 cw(c2904.75,5815.31) 2904.75,5806.67 2893.7,5806.67 2882.65,5806.67 ccw(c2882.65,5798.03) 2874.01,5798.03 2874.01,5790.63 ccw(c2882.65,5790.63) 2882.65,5781.99 2893.7,5781.99 2904.75,5781.99 cw(c2904.75,5773.35) 2913.39,5773.35 2913.39,5765.94 cw(c2904.75,5765.94) 2904.75,5757.3 2893.7,5757.3 2882.65,5757.3 ccw(c2882.65,5748.66) 2874.01,5748.66 2874.01,5741.26 ccw(c2882.65,5741.26) 2882.65,5732.62 2893.7,5732.62 2904.75,5732.62 cw(c2904.75,5723.98) 2913.39,5723.98 2913.39,5716.57 cw(c2904.75,5716.57) 2904.75,5707.93 2893.7,5707.93 2882.65,5707.93 ccw(c2882.65,5699.29) 2874.01,5699.29 2874.01,5691.89 ccw(c2882.65,5691.89) 2882.65,5683.25 2893.7,5683.25 2904.75,5683.25 cw(c2904.75,5674.61) 2913.39,5674.61 2913.39,5667.2 cw(c2904.75,5667.2) 2904.75,5658.56 2893.7,5658.56 2882.65,5658.56 ccw(c2882.65,5649.92) 2874.01,5649.92 2874.01,5642.52 ccw(c2882.65,5642.52) 2882.65,5633.88 2893.7,5633.88 2904.75,5633.88 cw(c2904.75,5625.24) 2913.39,5625.24 2913.39,5617.83 cw(c2904.75,5617.83) 2904.75,5609.19 2893.7,5609.19 2882.65,5609.19 ccw(c2882.65,5600.55) 2874.01,5600.55 2874.01,5593.15 ccw(c2882.65,5593.15) 2882.65,5584.51 2893.7,5584.51 2904.75,5584.51 cw(c2904.75,5575.87) 2913.39,5575.87 2913.39,5568.46 cw(c2904.75,5568.46) 2904.75,5559.82 2893.7,5559.82 2882.65,5559.82 ccw(c2882.65,5551.18) 2874.01,5551.18 2874.01,5543.78 ccw(c2882.65,5543.78) 2882.65,5535.14 2885.06,5535.14 cw(c2885.06,5526.5) 2893.7,5526.5 2893.7,5330.71 2893.7,4364.17 3038.52,4219.35 3038.52,4099.91 3052.89,4085.54 3052.89,4058.87 3020.71,4026.69 ICGTRRP2.AM16@3020.71,3972.2
EXT_PER_DIN(4): FMC1.G22 ICGTRRP2.AJ17 | length 3064
  L2 w5: ICGTRRP2.AJ17@2970.71,3822.2 3017.89,3775.02 3269.04,3775.02 3302.89,3808.87 3302.89,3840.81 3288.52,3855.18 3288.52,3894.5 3302.89,3908.87 3302.89,3935.54 3288.52,3949.91 3288.52,3994.5 3302.89,4008.87 3302.89,4035.54 3288.52,4049.91 3288.52,4094.5 3302.89,4108.87 3302.89,4203.01 3145.67,4360.24 3145.67,6263.78 3129.92,6279.53 3045.63,6279.53 v1(3020.24,6304.92)
EXT_PER_DIN(5): FMC1.G19 ICGTRRP2.AL17 | length 3064.4
  L2 w5: v1(2870.24,6304.92) 2844.49,6279.17 2844.49,6090.55 2844.49,6088.06 ccw(c2854.34,6088.06) 2854.34,6078.21 cw(c2854.34,6068.33) 2864.22,6068.33 2864.22,6063.4 cw(c2854.34,6063.4) 2854.34,6053.52 2844.49,6053.52 2834.64,6053.52 ccw(c2834.64,6043.65) 2824.76,6043.65 2824.76,6038.71 ccw(c2834.64,6038.71) 2834.64,6028.84 2844.49,6028.84 2854.34,6028.84 cw(c2854.34,6018.96) 2864.22,6018.96 2864.22,6014.03 cw(c2854.34,6014.03) 2854.34,6004.15 2844.49,6004.15 2834.64,6004.15 ccw(c2834.64,5994.28) 2824.76,5994.28 2824.76,5989.34 ccw(c2834.64,5989.34) 2834.64,5979.47 2844.49,5979.47 2854.34,5979.47 cw(c2854.34,5969.59) 2864.22,5969.59 2864.22,5964.66 cw(c2854.34,5964.66) 2854.34,5954.78 2844.49,5954.78 2834.64,5954.78 ccw(c2834.64,5944.91) 2824.76,5944.91 2824.76,5939.97 ccw(c2834.64,5939.97) 2834.64,5930.1 2844.49,5930.1 2854.34,5930.1 cw(c2854.34,5920.22) 2864.22,5920.22 2864.22,5915.29 cw(c2854.34,5915.29) 2854.34,5905.41 2844.49,5905.41 2834.64,5905.41 ccw(c2834.64,5895.54) 2824.76,5895.54 2824.76,5890.6 ccw(c2834.64,5890.6) 2834.64,5880.73 2844.49,5880.73 2854.34,5880.73 cw(c2854.34,5870.85) 2864.22,5870.85 2864.22,5865.92 cw(c2854.34,5865.92) 2854.34,5856.04 2844.49,5856.04 2834.64,5856.04 ccw(c2834.64,5846.17) 2824.76,5846.17 2824.76,5841.23 ccw(c2834.64,5841.23) 2834.64,5831.36 2844.49,5831.36 2854.34,5831.36 cw(c2854.34,5821.48) 2864.22,5821.48 2864.22,5816.55 cw(c2854.34,5816.55) 2854.34,5806.67 2844.49,5806.67 2834.64,5806.67 ccw(c2834.64,5796.8) 2824.76,5796.8 2824.76,5791.86 ccw(c2834.64,5791.86) 2834.64,5781.99 2844.49,5781.99 2854.34,5781.99 cw(c2854.34,5772.11) 2864.22,5772.11 2864.22,5767.18 cw(c2854.34,5767.18) 2854.34,5757.3 2844.49,5757.3 2834.64,5757.3 ccw(c2834.64,5747.43) 2824.76,5747.43 2824.76,5742.49 ccw(c2834.64,5742.49) 2834.64,5732.62 2844.49,5732.62 2854.34,5732.62 cw(c2854.34,5722.74) 2864.22,5722.74 2864.22,5717.81 cw(c2854.34,5717.81) 2854.34,5707.93 2844.49,5707.93 2834.64,5707.93 ccw(c2834.64,5698.06) 2824.76,5698.06 2824.76,5693.12 ccw(c2834.64,5693.12) 2834.64,5683.25 2844.49,5683.25 2854.34,5683.25 cw(c2854.34,5673.37) 2864.22,5673.37 2864.22,5668.44 cw(c2854.34,5668.44) 2854.34,5658.56 2844.49,5658.56 2834.64,5658.56 ccw(c2834.64,5648.69) 2824.76,5648.69 2824.76,5643.75 ccw(c2834.64,5643.75) 2834.64,5633.88 2844.49,5633.88 2854.34,5633.88 cw(c2854.34,5624) 2864.22,5624 2864.22,5619.07 cw(c2854.34,5619.07) 2854.34,5609.19 ccw(c2854.34,5599.34) 2844.49,5599.34 2844.49,5492.13 2844.49,4379.92 3002.89,4221.52 3002.89,4108.87 2988.52,4094.5 2988.52,4054.39 3002.89,4040.02 3002.89,4008.87 2970.71,3976.69 ICGTRRP2.AL17@2970.71,3922.2